# Altium PCB Thesis_HarvestEvaluator.PcbDoc
Units mm, origin at the board's own origin, x right, y up, seen from the top; angles counter-clockwise.
Board outline 109 x 67 mm, 4 copper layers (Top Layer, GND Layer, PW Layer, Bottom Layer), stack 1.57 mm thick; 111 components, 77 nets, 395 pads, 113 vias.
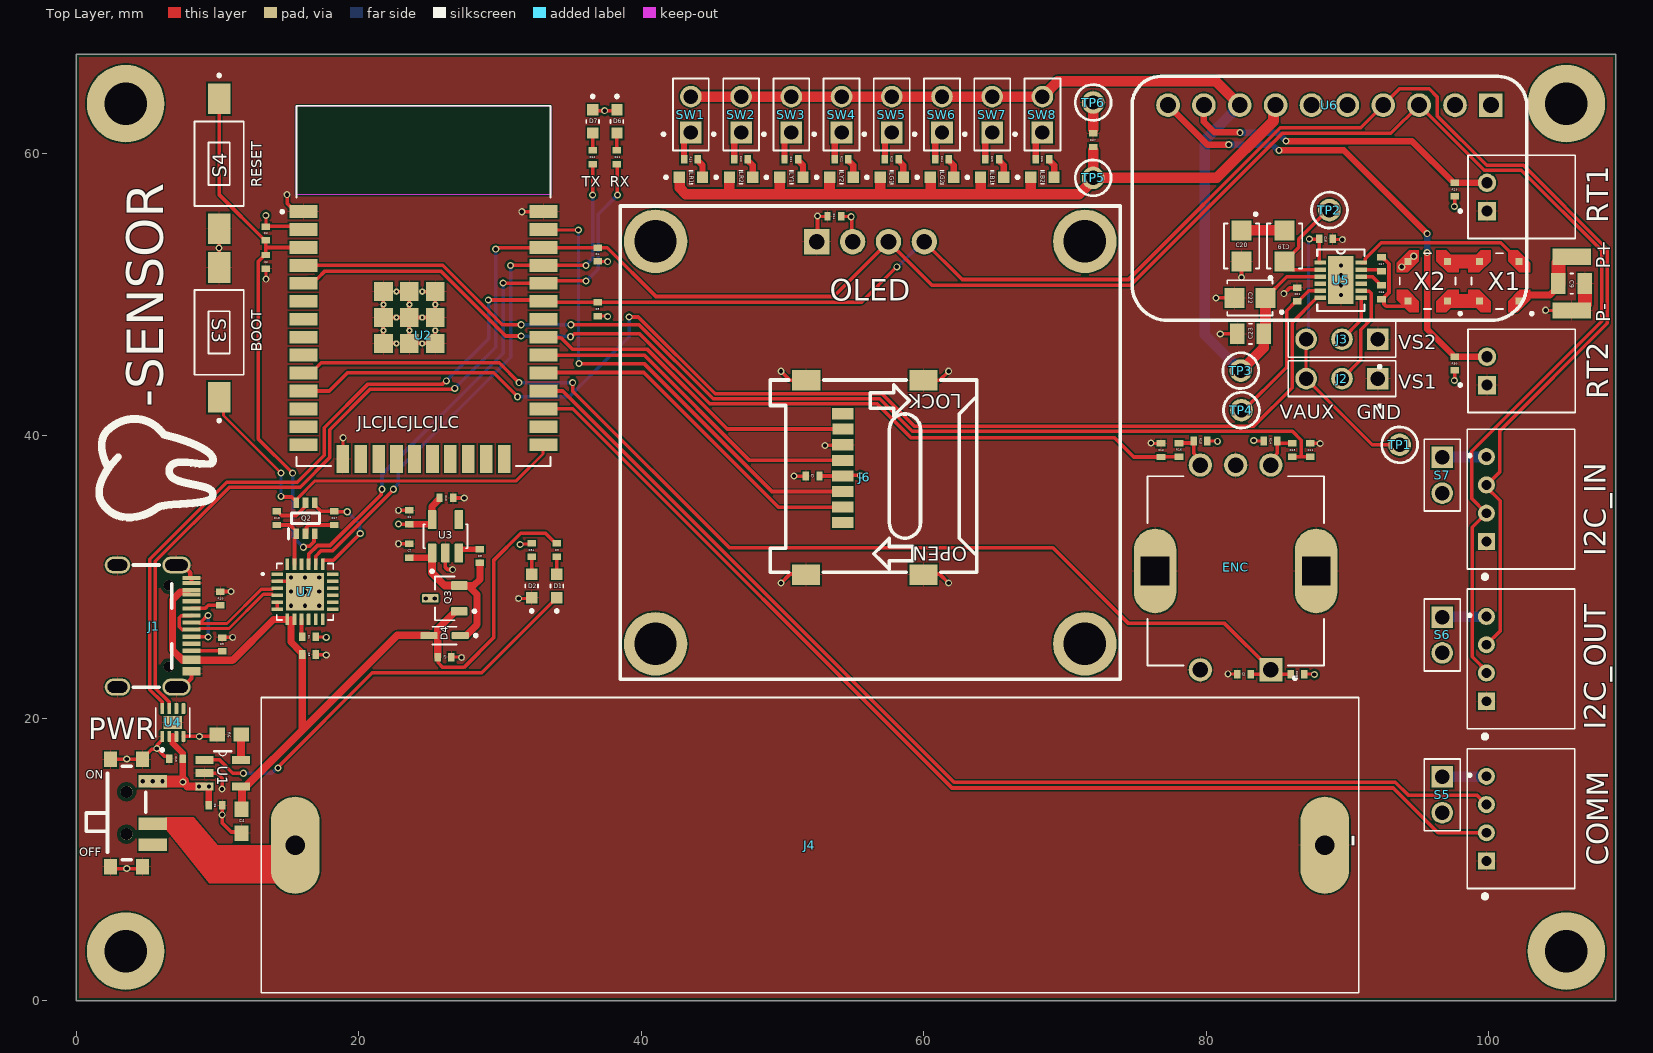
[diagram p0: Top Layer view]
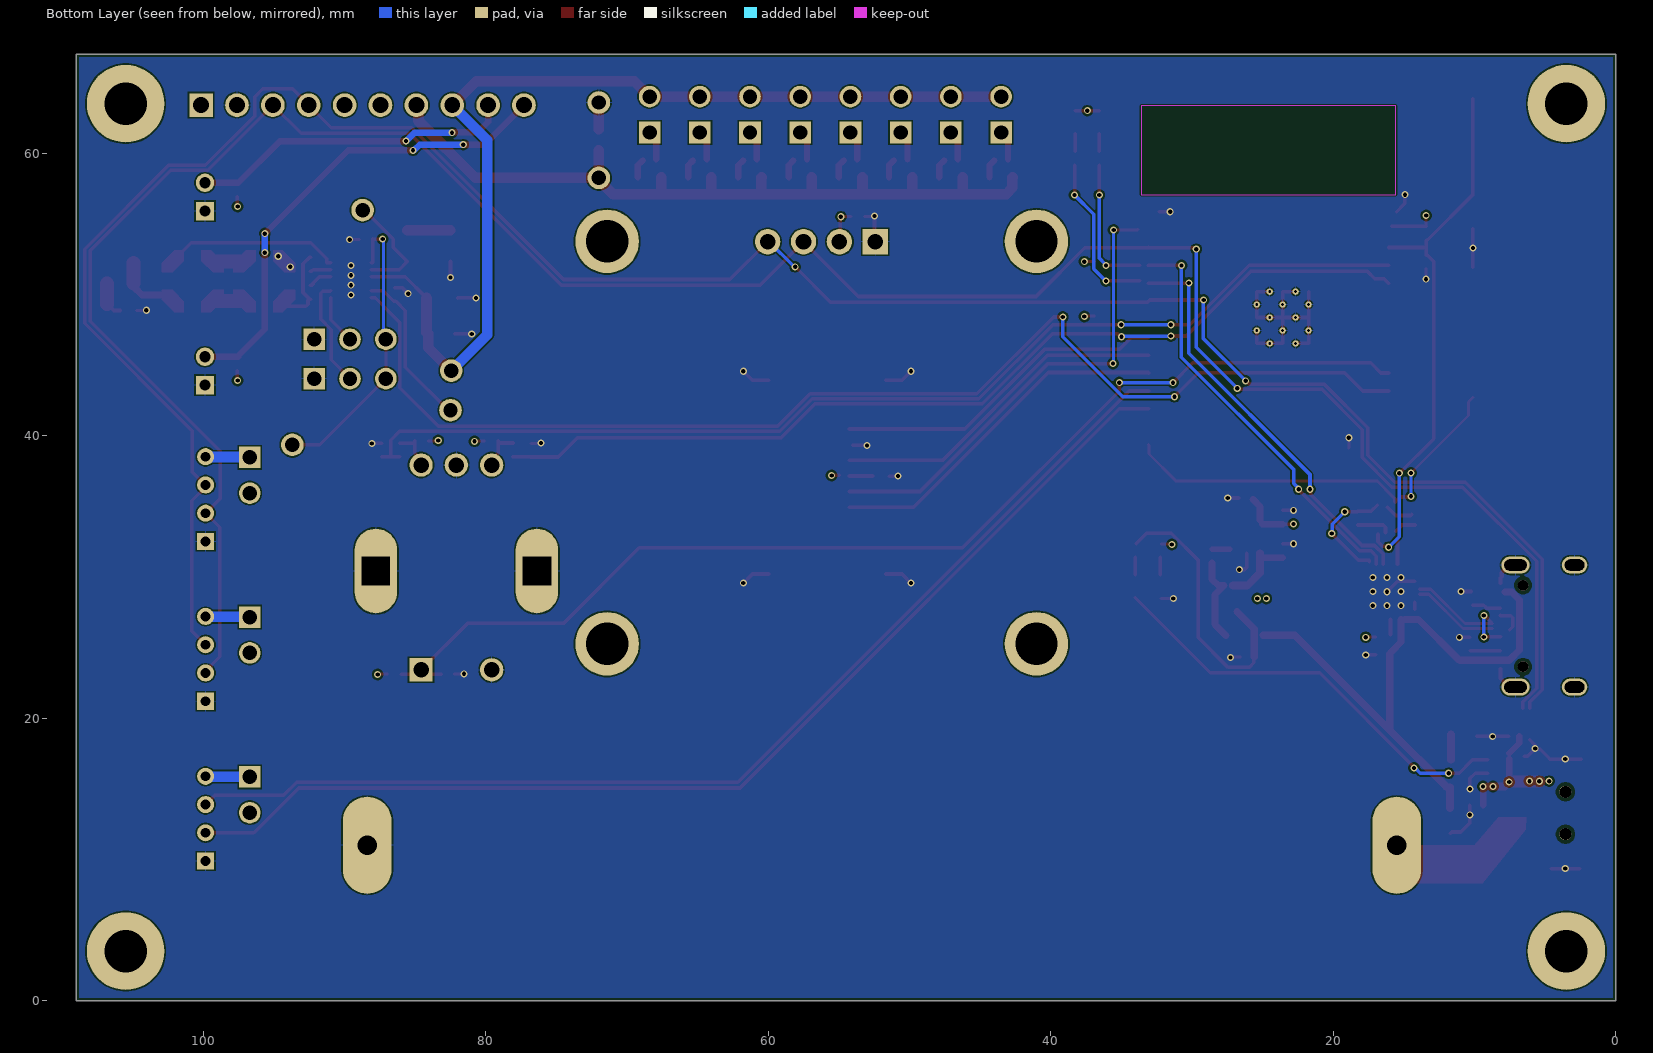
[diagram p1: Bottom Layer view, seen from below]
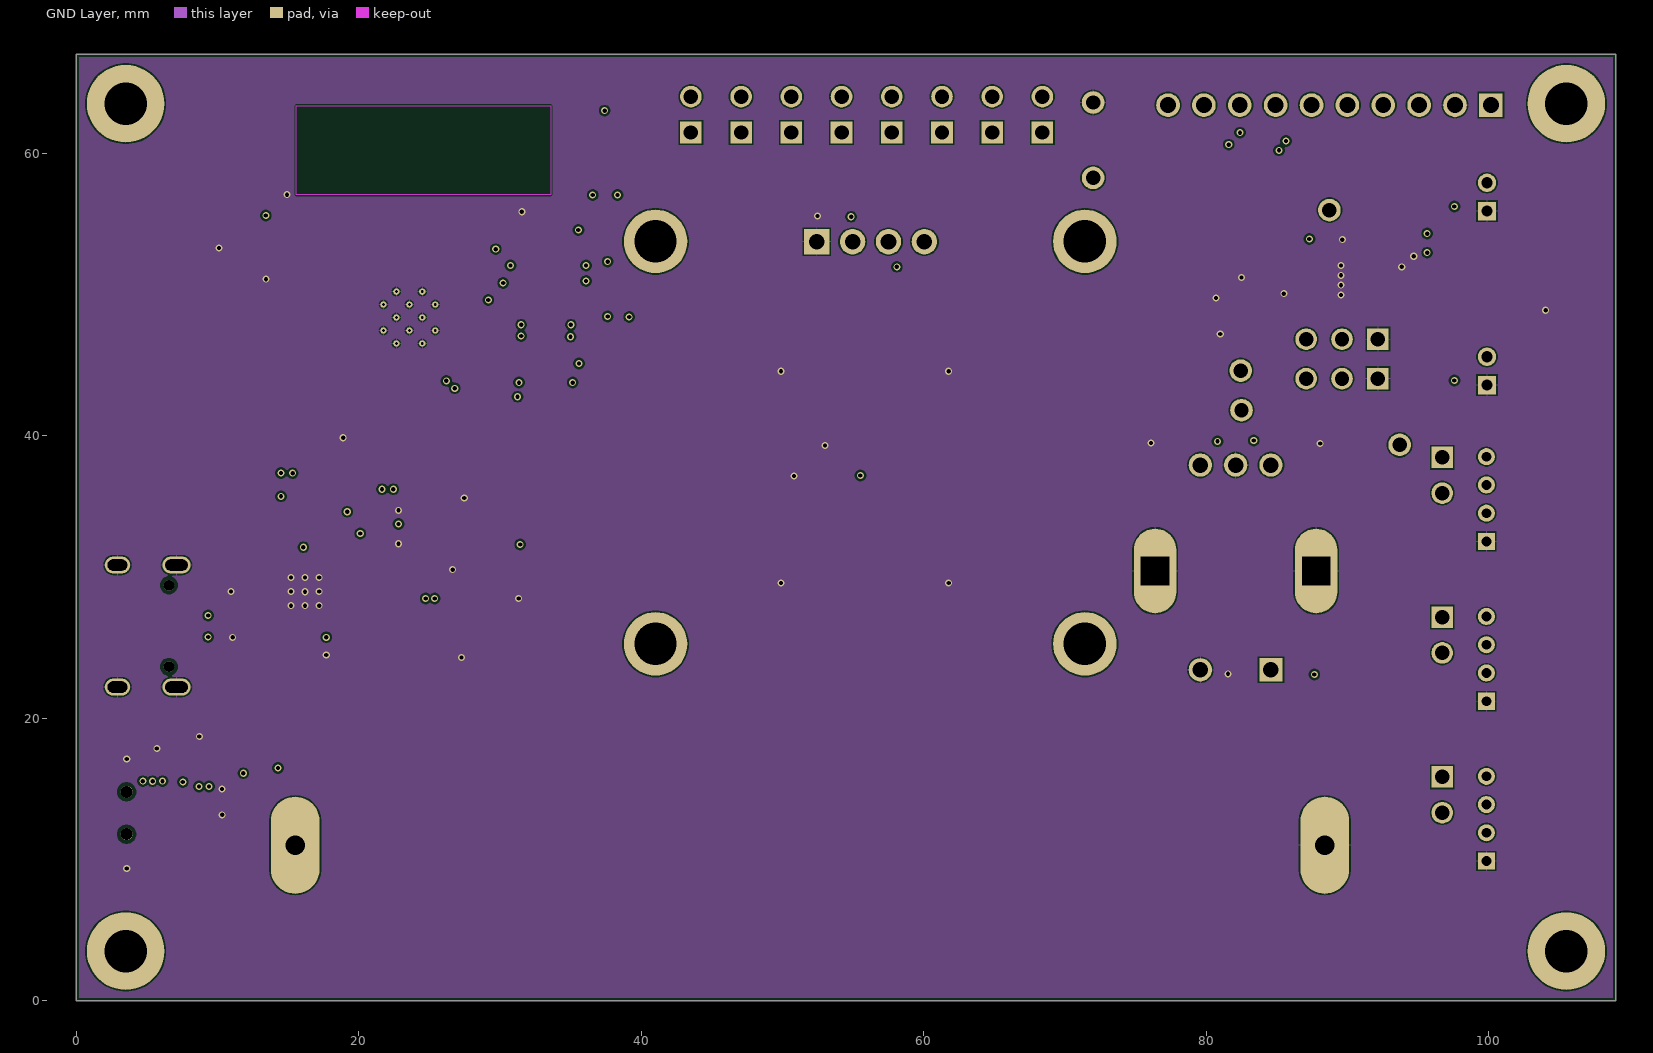
[diagram p2: GND Layer]
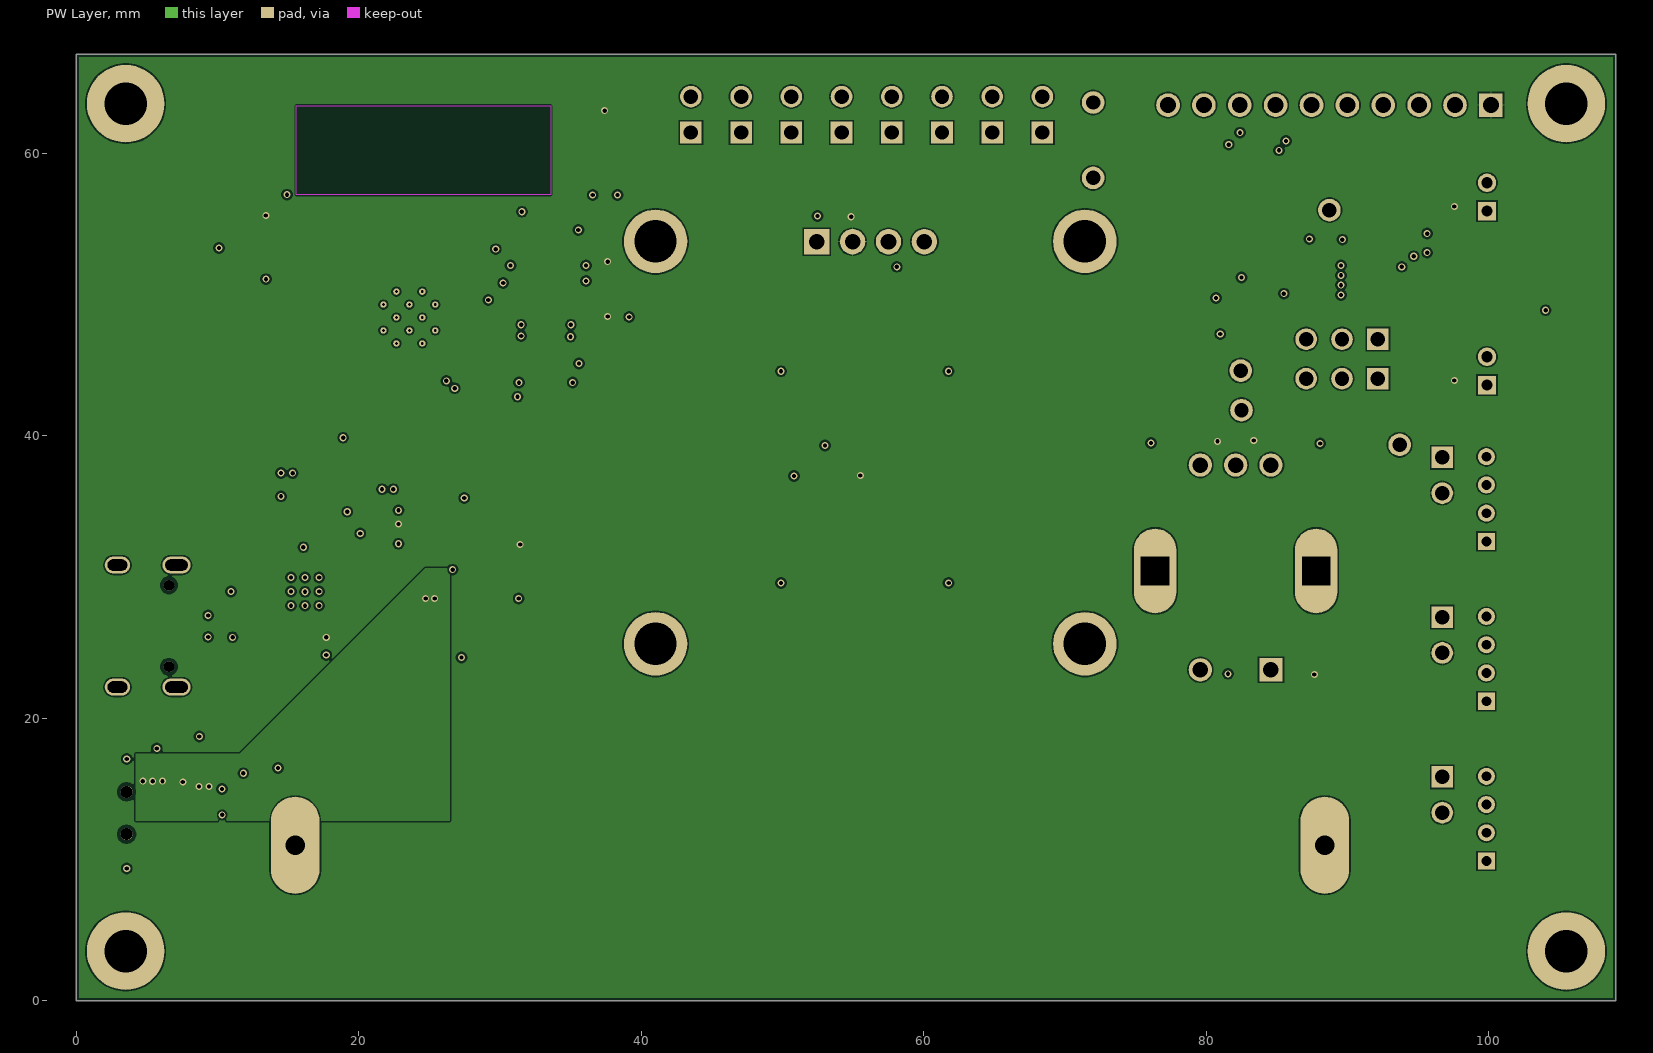
[diagram p3: PW Layer]

## Layer stack, top to bottom
Top Solder: solder mask 0.0127, Solder Resist, Dk 3.8
Top Layer: signal copper 0.035
Dielectric 2: prepreg 0.2, 7628, Dk 4.6
GND Layer: signal copper 0.0175
Dielectric 1: core 1.065, FR-4, Dk 4.5
PW Layer: signal copper 0.0175
Dielectric 3: prepreg 0.2, 7628, Dk 4.6
Bottom Layer: signal copper 0.035
Bottom Solder: solder mask 0.0127, Solder Resist, Dk 3.8

## Board outline
0,0 0,67 109,67 109,0

## Design rules (kind name [scope] priority, off if disabled: settings)
BoardOutlineClearance [All] p1: gap=0.2 ignorepadtopadclearanceinfootprint=FALSE
Clearance [All] p1: gap=0.102 ignorepadtopadclearanceinfootprint=FALSE except(0.127: Arc-Via Track-Via SMDPad-Via THPad-Via Via-Via Via-Fill Via-Poly Via-Region Via-Text; 0.25: Arc-Hole Track-Hole SMDPad-Hole THPad-Hole Via-Hole Fill-Hole Poly-Hole Region-Hole Text-Hole)
ComponentClearance [All] p1: gap=0.102 collisioncheckmode=3 verticalgap=0.102 showdistances=TRUE
DiffPairsRouting [All] p1: maxlimit=0.102 minlimit=0.102 mostfreqgap=0.102 toplayer_minwidth=0.102 toplayer_maxwidth=1816.048 toplayer_prefwidth=0.102 midlayer1_minwidth=0.102 midlayer1_maxwidth=1816.048 midlayer1_prefwidth=0.102 midlayer2_minwidth=0.102 midlayer2_maxwidth=1816.048 midlayer2_prefwidth=0.102 bottomlayer_minwidth=0.102 bottomlayer_maxwidth=1816.048 bottomlayer_prefwidth=0.102 maxuncoupledlength=12.7
Height [All] p1: minheight=0 maxheight=1816.048 prefheight=12.7
HoleSize [All] p1: absolutevalues=TRUE maxlimit=6.3 minlimit=0.2 maxpercent=80.000 minpercent=20.000
HoleToHoleClearance [All] p1: gap=0.25 allowstackedmicrovias=FALSE
MinimumAnnularRing [All] p1: minimumring=0.076
MinimumSolderMaskSliver [All] p1: minsoldermaskwidth=0
PlaneClearance [All] p1: clearance=0.102
PlaneConnect PlaneConnectPowerPads [InPadClass('PowerPads')] p1: planeconnectstyle=Direct reliefexpansion=0.508 reliefentries=4 reliefconductorwidth=0.254 reliefairgap=0.254
PlaneConnect [All] p2: pad.planeconnectstyle=Relief pad.reliefexpansion=0.3 pad.reliefentries=4 pad.reliefconductorwidth=0.102 pad.reliefairgap=0.102 via.planeconnectstyle=Direct via.reliefexpansion=0.3 via.reliefentries=4 via.reliefconductorwidth=0.127 via.reliefairgap=0.127
PolygonConnect PolygonConnectPowerPads [All vs (InPadClass('PowerPads'))] p1: connectstyle=Direct reliefconductorwidth=0.254 reliefentries=4 polygonreliefangle="90 Angle" airgapwidth=0.254
PolygonConnect [All] p2: thpad.connectstyle=Relief thpad.reliefconductorwidth=0.102 thpad.reliefentries=4 thpad.polygonreliefangle="90 Angle" thpad.airgapwidth=0.102 smdpad.connectstyle=Relief smdpad.reliefconductorwidth=0.102 smdpad.reliefentries=4 smdpad.polygonreliefangle="90 Angle" smdpad.airgapwidth=0.102 via.connectstyle=Direct via.reliefconductorwidth=0.127 via.reliefentries=4 via.polygonreliefangle="90 Angle" via.airgapwidth=0.127
RoutingVias [All] p1: holewidth=0.2 width=0.45 viastyle="Through Hole" minholewidth=0.2 minwidth=0.45 maxholewidth=6.3 maxwidth=6.55
SilkToSilkClearance [All] p1: silktosilkclearance=0
SilkToSolderMaskClearance [IsPad] p1: minsilkscreentomaskgap=0.102 clearancetoexposedcopper=TRUE
SolderMaskExpansion [All] p1: expansion=0.075 istentingtop=FALSE
Width [All] p1: maxlimit=1816.048 minlimit=0.102 preferedwidth=0.254 minimp=50.000000 maximp=50.000000 favimp=50.000000
20 further rules are at their usual default settings.

## Classes and differential pairs
differential pair D: +D_P -D_N

## Components (designator, comment, footprint, x,y, rotation, side; value= is the part's Value field where it differs from the comment)
C1 "Capacitor" "Capacitor 0402" 23.576,34.22 r90 top value=10uF
C2 "Capacitor" "Capacitor 0402" 13.418,52.304 r270 top value=10uF
C3 "Capacitor" "Capacitor 0402" 82.682,23.11 r180 top value=100nF
C4 "Capacitor" "Capacitor 0603" 11.7,12.7 r270 top value=4.7uF
C5 "Capacitor" "Capacitor 0402" 52.142,37.139 r180 top value=100nF
C6 "Capacitor" "Capacitor 0402" 9.857,13.816 r0 top value=4.7uF
C7 "Capacitor" "Capacitor 0402" 23.576,31.845 r90 top value=1uF
C8 "Capacitor" "Capacitor 0402" 16.485,24.5 r0 top value=1uF
C9 "100uF" "Capacitor 0805" 105.875,50.761 r0 top
C10 "Capacitor" "Capacitor 0402" 26.201,35.595 r0 top value=1uF
C11 "Capacitor" "Capacitor 0402" 87.365,38.976 r270 top value=10nF
C12 "Capacitor" "Capacitor 0402" 76.806,38.967 r270 top value=10nF
C14 "Capacitor" "Capacitor 0402" 53.673,55.52 r180 top value=100nF
C15 "Capacitor" "Capacitor 0402" 7.063,17.118 r180 top value=100nF
C16 "1nF" "Capacitor 0402" 92.413,50.151 r270 top (schematic designator 16)
C17 "330pF" "Capacitor 0402" 92.413,52.133 r90 top
C18 "1uF" "Capacitor 0402" 88.476,53.936 r0 top
C19 "CPH3225A" CPH3225A 85.555,53.428 r90 top
C20 "CPH3225A" CPH3225A 82.507,53.428 r270 top
C21 "2.2uF" "Capacitor 0402" 86.444,49.999 r90 top
C22 "CPH3225A" CPH3225A 83.099,49.745 r180 top
C23 "100uF" "Capacitor 0805" 83.142,47.205 r180 top
COMM "JST - 4 Pin" S4B-PH 99.841,12.878 r90 top
D1 "LED" "LED 0603 - Yellow" 34.023,29.349 r90 top value=Yellow
D2 "LED" "LED 0603 - Red" 32.245,29.349 r90 top value=Red
D4 "Schottky Diode" BAT60B 26.08,25.842 r0 top
D6 "LED" "LED 0603 - Green" 38.282,62.248 r270 top value=Green
D7 "LED" "LED 0603 - Green" 36.56,62.248 r270 top value=Green
ENC "Rotary Encoder" PEC11R-4215F-S0024 82.087,30.417 r180 top
I2C_IN "JST - 4 Pin" S4B-PH 99.841,35.506 r90 top
I2C_OUT "JST - 4 Pin" S4B-PH 99.841,24.192 r90 top
J1 "USB Type C" "USB Type C" 5.539,26.516 r270 top
J2 "Male Header - 3 Pin" "Male Header - 3 Pin" 89.619,44.03 r270 top
J3 "Male Header - 3 Pin" "Male Header - 3 Pin" 89.619,46.824 r270 top
J4 "BH-18650" "BH-18650 - No hole" 51.95,11 r180 top
J6 "MicroSD Socket" "MicroSD Socket" 56.767,37.557 r90 top
LB1 "Blue" "LED 0603 - Blue" 64.853,58.289 r0 top
LB2 "Blue" "LED 0603 - Blue" 68.409,58.289 r0 top
LG1 "Green" "LED 0603 - Green" 57.741,58.289 r0 top
LG2 "Green" "LED 0603 - Green" 61.297,58.289 r0 top
LR1 "Red" "LED 0603 - Red" 43.517,58.289 r0 top
LR2 "Red" "LED 0603 - Red" 47.073,58.289 r0 top
LY1 "Yellow" "LED 0603 - Yellow" 50.629,58.289 r0 top
LY2 "Yellow" "LED 0603 - Yellow" 54.185,58.289 r0 top
OLED "OLED I2C" "OLED 1.3in module" 55.365,50.454 r0 top
P+ "Pad" Pad 105.875,52.666 r0 top
P- "Pad" Pad 105.875,48.856 r0 top
PWR "Switch - Horizontal" MK-12C02-G015 3.253,13.308 r270 top
Q2 "BC847S" BC847S 16.231,34.152 r90 top
Q3 "DMG230" DMG230 26.092,28.472 r180 top
R1 "Resistor" "Resistor 0402" 16.485,25.77 r180 top value=1k
R2 "Resistor" "Resistor 0402" 13.418,54.321 r90 top value=10k
R3 "Resistor" "Resistor 0402" 34.023,31.889 r270 top value=1k
R4 "Resistor" "Resistor 0402" 36.918,52.821 r90 top value=10k
R5 "Resistor" "Resistor 0402" 36.918,48.946 r90 top value=10k
R6 "Resistor" "Resistor 0603" 10.826,18.845 r0 top value=2k
R7 "Resistor" "Resistor 0402" 26.08,24.318 r180 top value=10k
R8 "Resistor" "Resistor 0402" 28.576,31.47 r90 top value=10K
R9 "Resistor" "Resistor 0402" 10.326,25.22 r270 top value=5.1k
R10 "Resistor" "Resistor 0402" 10.201,28.47 r270 top value=5.1k
R11 "Resistor" "Resistor 0402" 38.282,59.708 r270 top value=1k
R12 "Resistor" "Resistor 0402" 36.56,59.708 r270 top value=1k
R13 "Resistor" "Resistor 0402" 86.095,38.976 r270 top value=10k
R14 "Resistor" "Resistor 0402" 84.562,39.62 r180 top value=10k
R15 "Resistor" "Resistor 0402" 79.609,39.62 r0 top value=10k
R16 "Resistor" "Resistor 0402" 78.076,38.992 r90 top value=10k
R17 "Resistor" "Resistor 0402" 18.263,34.152 r270 top value=10k
R18 "Resistor" "Resistor 0402" 14.199,34.152 r270 top value=10k
R19 "100R" "Resistor 0402" 43.517,59.559 r180 top
R20 "100R" "Resistor 0402" 47.073,59.559 r180 top
R21 "100R" "Resistor 0402" 50.629,59.559 r180 top
R22 "100R" "Resistor 0402" 54.185,59.559 r180 top
R23 "100R" "Resistor 0402" 57.741,59.559 r180 top
R24 "100R" "Resistor 0402" 61.297,59.559 r180 top
R25 "100R" "Resistor 0402" 64.853,59.559 r180 top
R26 "100R" "Resistor 0402" 68.409,59.559 r180 top
R27 "20m" "Resistor 0402" 72,60.917 r270 top
R28 "Resistor" "Resistor 0402" 86.467,23.11 r0 top value=10k
R29 "10k" "Resistor 0402" 97.599,57.417 r270 top
R30 "10k" "Resistor 0402" 97.599,45.098 r270 top
R34 "Resistor" "Resistor 0402" 32.245,31.889 r90 top value=1k
RT1 "10k" S2B-PH 99.885,56.9 r90 top
RT2 "10k" S2B-PH 99.885,44.581 r90 top
S3 "Switch - 2 pin" "Push Button 3.5x6" 10.112,47.31 r90 top
S4 "Switch - 2 pin" "Push Button 3.5x6" 10.112,59.248 r270 top
S5 "Switch - 2 pin" "Male Header - 2 Pin" 96.716,13.298 r0 top
S6 "Switch - 2 pin" "Male Header - 2 Pin" 96.716,24.612 r0 top
S7 "Switch - 2 pin" "Male Header - 2 Pin" 96.716,35.926 r0 top
SW1 "Switch - 2 pin" "Male Header - 2 Pin" 43.517,64.004 r180 top
SW2 "Switch - 2 pin" "Male Header - 2 Pin" 47.073,64.004 r180 top
SW3 "Switch - 2 pin" "Male Header - 2 Pin" 50.629,64.004 r180 top
SW4 "Switch - 2 pin" "Male Header - 2 Pin" 54.185,64.004 r180 top
SW5 "Switch - 2 pin" "Male Header - 2 Pin" 57.741,64.004 r180 top
SW6 "Switch - 2 pin" "Male Header - 2 Pin" 61.297,64.004 r180 top
SW7 "Switch - 2 pin" "Male Header - 2 Pin" 64.853,64.004 r180 top
SW8 "Switch - 2 pin" "Male Header - 2 Pin" 68.409,64.004 r180 top
TP1 "Keystone 5001" "Keystone 5001" 93.7,39.35 r0 top
TP2 "Keystone 5001" "Keystone 5001" 88.73,55.968 r0 top
TP3 "Keystone 5001" "Keystone 5001" 82.45,44.6 r0 top
TP4 "Keystone 5001" "Keystone 5001" 82.5,41.8 r0 top
TP5 "Keystone 5001" "Keystone 5001" 72,58.25 r90 top
TP6 "Keystone 5001" "Keystone 5001" 72,63.584 r90 top
U1 "MCP7383" MCP7383 10.365,16.102 r0 top
U2 "ESP32-WROOM-32" ESP32-WROOM-32D 24.583,47.106 r0 top
U3 "XC6220" XC6220 26.142,32.867 r90 top
U4 "MAX17048" MAX17048 6.837,19.688 r90 top
U5 "LTC3108" LTC3108 89.543,51.003 r0 top
U6 "ADS1115 Module" "ADS1115 Module - No Hole" 102.7,65.432 r180 top
U7 "CP2104" CP2104 16.199,28.944 r0 top
X1 "LPR4012" LPR4012 100.762,50.939 r180 top
X2 "LPR4012" LPR4012 95.682,50.939 r180 top

## Footprints (in the part's own frame and the unit in brackets; to place one, negate y for a bottom-side part, rotate by r counter-clockwise, add the part's x,y. Pads: shape width x height; smd on the part's side, far side on the other; paste and mask are expansions set on the pad)
"ADS1115 Module - No Hole" [mil]
  rect 66x66 hole 44: 1(100,80)
  round 66 hole 44: 2(200,80) 3(300,80) 4(400,80) 5(500,80) 6(600,80) 7(700,80) 8(800,80) 9(900,80) 10(1000,80)
  silkscreen extent 0,0 1100,680, body extent 0,0 1100,680, height 551
BAT60B [mm]
  rrect25% 1.21x0.5 smd: A(-1.105,0) C(1.105,0)
  silkscreen extent -0.85,-0.63 2.31,0.63, body extent -1.3,-0.68 1.3,0.68, height 1.1
BC847S [mm]
  rect 0.75x0.4 smd: 1(-1.1,0.65) 2(-1.1,0) 3(-1.1,-0.65) 4(1.1,-0.65) 5(1.1,0) 6(1.1,0.65)
  silkscreen extent -1.48,-1 0.38,1.2, body extent -1.05,-1 1.05,1, height 1
"BH-18650 - No hole" [mm]
  oval 3.44x6.88 hole 1.38: N(-36.45,0) P(36.45,0)
  silkscreen extent -38.85,-10.45 38.85,10.45, body extent -38.85,-10.45 38.85,10.45, height 21.31
"Capacitor 0402" [mil]
  rect 18x24 smd: 1(-19,0) 2(19,0)
  body extent -20,-11 20,11, height 19
"Capacitor 0603" [mm]
  rect 1.1x1 smd: 1(-0.85,0) 2(0.85,0)
  body extent -0.8,-0.45 0.8,0.45, height 0.81
"Capacitor 0805" [mm]
  rect 1.04x1.47 smd: 1(-0.94,0) 2(0.94,0)
  silkscreen extent -0.1,-0.72 0.1,0.72, body extent -1,-0.65 1,0.66, height 0.73
CP2104 [mm]
  rrect10% 0.81x0.26 smd: 1(-1.955,1.25) 2(-1.955,0.75) 3(-1.955,0.25) 4(-1.955,-0.25) 5(-1.955,-0.75) 6(-1.955,-1.25) 13(1.955,-1.25) 14(1.955,-0.75) 15(1.955,-0.25) 16(1.955,0.25) 17(1.955,0.75) 18(1.955,1.25)
  rrect10% 0.26x0.81 smd: 7(-1.25,-1.955) 8(-0.75,-1.955) 9(-0.25,-1.955) 10(0.25,-1.955) 11(0.75,-1.955) 12(1.25,-1.955) 19(1.25,1.955) 20(0.75,1.955) 21(0.25,1.955) 22(-0.25,1.955) 23(-0.75,1.955) 24(-1.25,1.955)
  rect 2.68x2.68 smd paste-2: 25(0,0)
  silkscreen extent -3.07,-2 2,2, body extent -2,-2 2,2, height 0.78
CPH3225A [mm]
  rect 1.4x1.4 smd: 1(-1.1,0) 2(1.1,0)
  silkscreen extent -2.35,-1.25 1.6,1.25, body extent -1.6,-1.25 1.6,1.25, height 1
DMG230 [mm]
  rrect25% 1.18x0.61 smd: 1(-1.025,0.915) 2(-1.025,-0.915) 3(1.025,0)
  silkscreen extent -2.2,-1.55 0.7,1.55, body extent -1.33,-1.45 1.07,1.45, height 1.1
ESP32-WROOM-32D [mm]
  rect 2x0.9 smd: 1(-8.5,8.755) 2(-8.5,7.485) 3(-8.5,6.215) 4(-8.5,4.945) 5(-8.5,3.675) 6(-8.5,2.405) 7(-8.5,1.135) 8(-8.5,-0.135) 9(-8.5,-1.405) 10(-8.5,-2.675) 11(-8.5,-3.945) 12(-8.5,-5.215) 13(-8.5,-6.485) 14(-8.5,-7.755) 25(8.5,-7.755) 26(8.5,-6.485) 27(8.5,-5.215) 28(8.5,-3.945) 29(8.5,-2.675) 30(8.5,-1.405) 31(8.5,-0.135) 32(8.5,1.135) 33(8.5,2.405) 34(8.5,3.675) 35(8.5,4.945) 36(8.5,6.215) 37(8.5,7.485) 38(8.5,8.755)
  rect 0.9x2 smd: 15(-5.715,-8.755) 16(-4.445,-8.755) 17(-3.175,-8.755) 18(-1.905,-8.755) 19(-0.635,-8.755) 20(0.635,-8.755) 21(1.905,-8.755) 22(3.175,-8.755) 23(4.445,-8.755) 24(5.715,-8.755)
  rect 1.33x1.33 smd: 39(-2.835,-0.58) 39(-2.835,1.255) 39(-2.835,3.09) 39(-1,-0.58) 39(-1,1.255) 39(-1,3.09) 39(0.835,-0.58) 39(0.835,1.255) 39(0.835,3.09)